# KiCad board current3x3A_Artiq.kicad_pcb (continued)
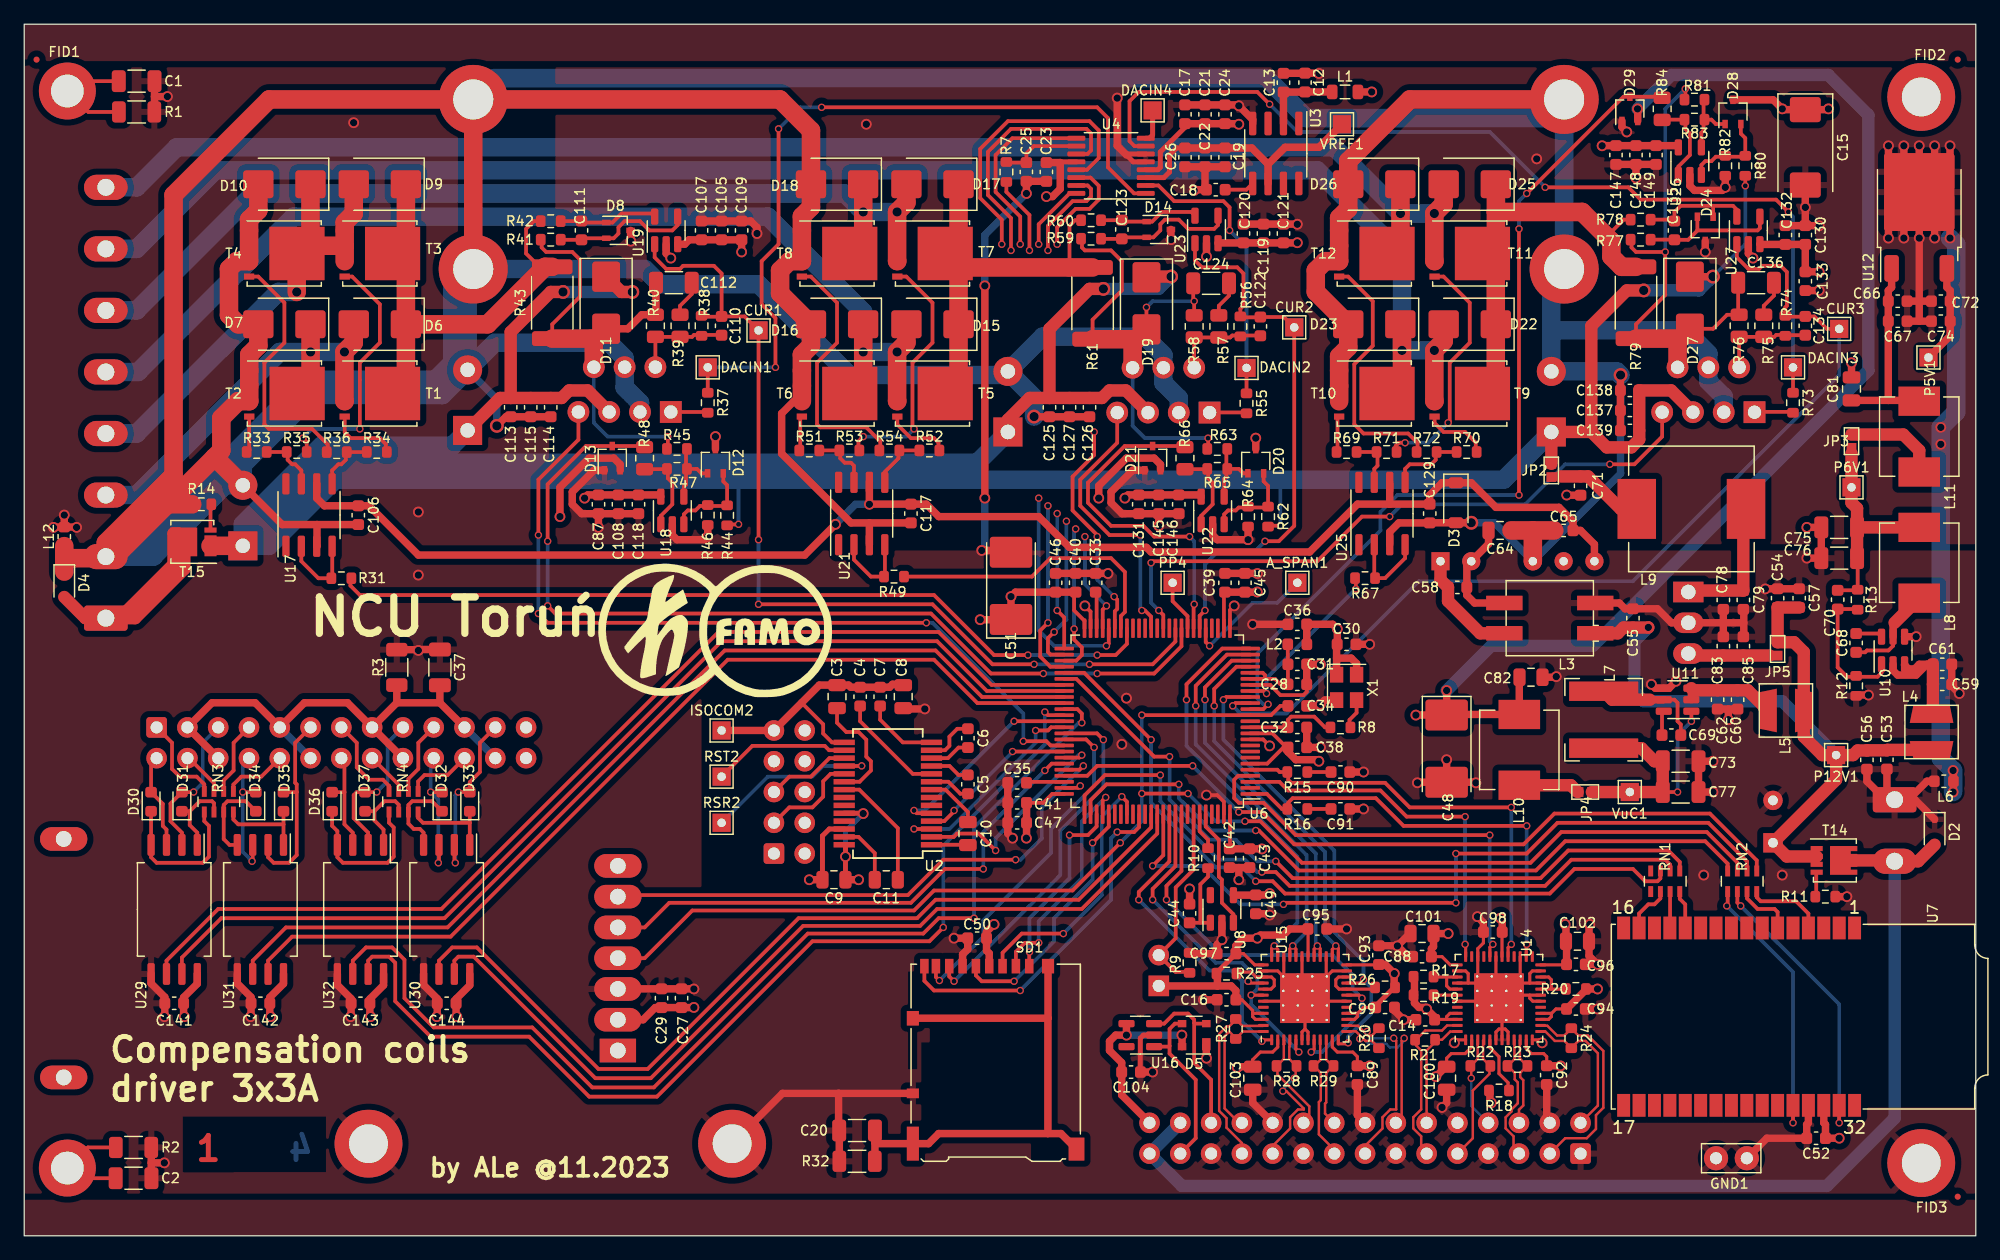
[diagram p0: board, top side]
## Placement (name value [footprint] x y rotation side) (continued)
U6  STM32H743VITx  [LQFP-100_14x14mm_P0.5mm]  93.47 42.47 180 top
U7  -  [STLINK-V3MODS]  160.91 18.08 270 top
U8  24AA02E48T-I/OT  [SOT-23-5]  98.81 26.97 90 top
U9  AM2D-1218SZ  [Converter_DCDC_Murata_NMAxxxxSC_THT]  116.84 55.68 270 bottom
U10  AP63200WU-7  [TSOT-23-6]  154.18 48.31 90 top
U11  AP63203WU-7  [TSOT-23-6]  136.4 44.25 180 top
U12  LD29150DT50R  [TO-252-2]  156.34 84.89 90 top
U13  R-78B12-2.0  [Converter_DCDC_RECOM_R-78B-2.0_THT]  137.29 53.14 270 bottom
U14  SN65MLVD040RGZT  [VQFN-48-1EP_7x7mm_P0.5mm_EP4.1x4.1mm_ThermalVias]  121.67 19.61 90 top
U15  SN65MLVD040RGZT  [VQFN-48-1EP_7x7mm_P0.5mm_EP4.1x4.1mm_ThermalVias]  105.66 19.61 90 top
U16  24AA02E48T-I/OT  [SOT-23-5]  92.08 16.56 180 top
U17  IRS4428STRPBF  [SO-8_3.9x4.9mm_P1.27mm]  23.5 59.49 90 top
U18  OPA191IDBVx  [SOT-23-5]  53.47 59.87 90 top
U19  INA293B2IDBV  [SOT-23-5]  52.96 82.98 90 top
U20  OPA548T  [TO-220-7_P2.54x3.7mm_StaggerOdd_Lead3.8mm_Vertical]  53.34 68 180 bottom
U21  IRS4428STRPBF  [SO-8_3.9x4.9mm_P1.27mm]  69.09 59.61 90 top
U22  OPA191IDBVx  [SOT-23-5]  98.04 59.87 90 top
U23  INA293B2IDBV  [SOT-23-5]  97.54 83.06 90 top
U24  OPA548T  [TO-220-7_P2.54x3.7mm_StaggerOdd_Lead3.8mm_Vertical]  97.79 67.95 180 bottom
U25  IRS4428STRPBF  [SO-8_3.9x4.9mm_P1.27mm]  112.01 59.61 90 top
U26  OPA191IDBVx  [SOT-23-5]  137.41 88.7 90 top
U27  INA293B2IDBV  [SOT-23-5]  142.24 82.98 90 top
U28  OPA548T  [TO-220-7_P2.54x3.7mm_StaggerOdd_Lead3.8mm_Vertical]  142.75 67.98 180 bottom
U29  TLP2270(TP4,E  [SOIC-8_7.5x5.85mm_P1.27mm]  12.37 26.94 270 top
U30  TLP2270(TP4,E  [SOIC-8_7.5x5.85mm_P1.27mm]  34.85 26.94 270 top
U31  TLP2270(TP4,E  [SOIC-8_7.5x5.85mm_P1.27mm]  19.48 26.94 270 top
U32  TLP2270(TP4,E  [SOIC-8_7.5x5.85mm_P1.27mm]  27.74 26.94 270 top
VREF1  TestPoint  [TestPoint_Pad_1.5x1.5mm]  108.71 91.75 180 top
VuC1  TestPoint  [TestPoint_THTPad_1.5x1.5mm_Drill0.7mm]  132.46 36.63 0 top
X1  ASE-8.000MHZ-L-C-T  [Oscillator_SMD_Abracon_ASE-4Pin_3.2x2.5mm]  109.09 45.26 270 top

## Library data of the parts
A_SPAN1 CUR1-CUR3 DACIN1-DACIN4 GND1 ISOCOM2 P5V1 P6V1 P12V1 PP4 RSR2 RST2 VREF1 VuC1 = -: Description: test point
BOOT0 = -: Description: Generic connector, single row, 01x02, script generated (kicad-library-utils/schlib/autogen/connector/); Comm: igły 2x1x2,54
C1-C11 C14 C16-C18 C20-C23 C25-C30 C32-C35 C37-C44 C47 C49 C50 C52 C61 C62 C64 C67-C70 C72 C79 C83 C88-C99 C104-C108 C110-C112 C114 C117-C120 C122-C124 C126 C129 C130 C132 C134-C136 C138 C141-C146 C148 C149 = -: Description: Unpolarized capacitor
C12 C24 C36 C53-C60 C65 C66 C71 C74 C78 C85 C109 C113 C115 C121 C125 C127 C133 C137 C139 = -: Description: Unpolarized capacitor; Comm: GRM188R61E106KA73D
C13 C19 = -: Description: Unpolarized capacitor; Comm: 1u 25V X7R
C15 = -: Comm: tantal, case D
C31 C45 C46 C87 C131 C147 = -: Description: Unpolarized capacitor; Comm: 1uF 25V X7R
C48 C51 = -: Comm: 100u 6,3V tantal case C
C63 = -: Comm: >=5000h, 105°C, Ø8x11,5mm, P3,5mm
C73 C75-C77 = -: Description: Unpolarized capacitor; Comm: 22u 10V X7R Murata
C80 C116 C128 C140 = -: Comm: 5000h Ø12,5 P5,0mm 105°C
C81 C82 C100-C103 = -: Description: Unpolarized capacitor; Comm: 10u 10V X7R
D2 D4 = -: Description: 12V, 450W Discrete Bidirectional TVS Diode, SOD-323
D5 = -: Description: Ultra low capacitance double rail-to-rail ESD protection diode, SOT-143; Comm: PRTR5V0U2X
D6 D7 D9-D11 D15-D19 D22 D23 D25-D27 = -: Description: Schottky diode; Comm: Diotec SL54-3G
D12 D20 D28 = -: Description: dual schottky barrier diode, common cathode
D13 D21 D29 = -: Description: Vr 30V, If 200mA, Dual schottky barrier diode, in series, SOT-323
D30-D37 = -: Description: Diode, filled shape; Sim.Device: D; Sim.Pins: 1=K 2=A
FID1-FID3 = -: Description: Fiducial Marker
G1 G2 = -: Sim.Enable: 0
H1 H2 H4 H6-H8 = -: Description: Mounting Hole with connection
HS1 = -: Description: Heatsink with electrical connection, 1 pin; Comm: Mount with: M3X10/D7985-A2 - 2pcs, K3.2/D125-A2 - 2pcs, K3/D127-A2 - 2 pcs, Bossard 1405322 - 4pcs.
J1 = -: Description: Generic connector, single row, 01x08, script generated
J2 = -: Description: Generic connector, double row, 02x05, odd/even pin numbering scheme (row 1 odd numbers, row 2 even numbers), script generated (kicad-library-utils/schlib/autogen/connector/)
J3 = -: Description: Generic connector, single row, 01x02, script generated (kicad-library-utils/schlib/autogen/connector/)
J5 = -: Description: Generic connector, double row, 02x15, odd/even pin numbering scheme (row 1 odd numbers, row 2 even numbers), script generated (kicad-library-utils/schlib/autogen/connector/)
J6 = -: Description: Generic connector, single row, 01x26, script generated
L1 = -: Description: Inductor; Comm: Viking NL05JTC330
L2 = -: Description: Inductor; Comm: LQM18DZ330M70L
L3 = -: Comm: or 50475C
L4 L5 = -: Comm: 22u >0,5A 4x4mm
L6 L12 = -: Comm: Murata
L7 = -: Comm: 3,3u >3A 6x6mm
L8 = -: Comm: 10u >3A 6,5x6,5mm
L9 = -: Comm: 10u >2A
R1-R3 R7-R42 R44-R49 R51-R60 R62-R67 R69-R78 R80-R84 = -: Description: Resistor
R43 R61 R79 = -: Description: Resistor; Comm: LVK24R020DER
RN1-RN4 = -: Description: 4 resistor network, parallel topology
T1-T12 = -: Description: 100A Id, 60V Vds, OptiMOS N-Channel Power MOSFET, 2.8mOhm Ron, Qg (typ) 31.0nC, PG-TDSON-8
T14 T15 = -: Description: -12A Id, -30V Vds, P-Channel Power MOSFET, 9.5mOhm Ron, 33.7nC Qg (typ), PowerDI3333-8; Comm: SISA01DN-T1-GE3
U2 = -: Description: ±50V Isolated, 3.0V to 5.5V, 250kbps,2 Tx/2 Rx, RS-232 Transceiver; Comm: MAX3250EAI+
U3 = -: Description: 3.00V Voltage Reference, Ultraprecision, Low Noise, MSOP-8
U4 = -: Description: 16-Bit, Quad Channel, Ultralow Glitch, Voltage Output Digital to Analog Converter.
U6 = -: Description: STMicroelectronics Arm Cortex-M7 MCU, 2048KB flash, 1024KB RAM, 480 MHz, 1.71-3.6V, 82 GPIO, LQFP100
U8 U16 = -: Description: I2C Serial EEPROM, 2Kb, SOT-23
U9 = -: Description: +/-100mA Isolated 1W Dual output DC/DC Converter Module, 5V Input Voltage, +/-5V Output Voltage, SIP3
U10 = -: Description: 2A, 500kHz Buck DC/DC Converter, adjustable output voltage, TSOT-23-6
U11 = -: Description: 2A, 1.1MHz Buck DC/DC Converter, fixed 5.0V output voltage, TSOT-23-6
U13 = -: Description: 2A Step-Down DC/DC-Regulator, 15-32V input, 12V fixed Output Voltage, LM78xx replacement, -40°C to +85°C, SIP3
U14 U15 = -: Description: 4-Channel Half-Duplex M-LVDS Line Transceiver
U17 U21 U25 = -: Description: Dual 1.5A-Peak Low-Side MOSFET Driver, DIP-8/SOIC-8/MSOP-8; Comm: MIC4428ZM
U18 U22 U26 = -: Description: Single, Low-Power, Low Offset Voltage, Rail-to-Rail Operational Amplifier, SOT-23-5; Comm: OPA196IDBVx
U19 U23 U27 = -: Description: Current Shunt Monitor −16V to +80V Common-Mode Range, 20V/V, SOT-23-5
U20 U24 U28 = -: Description: High-Voltage, High-Current, Wide-Output-Voltage-Swing Power Operational Amplfier (60V, 3A); Comm: OPA548T1; Manufacturer_Name: Texas Instruments; Manufacturer_Part_Number: OPA548FKTWT; Mouser Part Number: 595-OPA548FKTWT; Mouser Price/Stock: https://www.mouser.co.uk/ProductDetail/Texas-Instruments/OPA548FKTWT?qs=wgAEGBTxy7mxugPOPssEjw%3D%3D
U29-U32 = -: Description: Dual High Speed HCMOS/LSTTL/TTL Compatible Optocoupler, dV/dt 1000/us, VCM 50, -0.5V to 7V VCC, SOIC-8
X1 = -: Description: 3.3V CMOS SMD Crystal Clock Oscillator, Abracon

## Footprints (pads in the part's own frame, mm; a bottom-side part is the same pattern mirrored in y, then rotated)
C_0603_1608Metric
  rrect 0.9x0.95 smd: 1(-0.775,0) 2(0.775,0)
C_0805_2012Metric
  rrect 1x1.45 smd: 1(-0.95,0) 2(0.95,0)
C_1206_3216Metric
  rrect 1.15x1.8 smd: 1(-1.475,0) 2(1.475,0)
Converter_DCDC_Murata_NMAxxxxSC_THT
  rect 1.5x1.5 hole 0.7: 1(0,0)
  oval 1.5x1.5 hole 0.7: 2(0,-2.54) 4(0,-7.62) 5(0,-10.16) 6(0,-12.7)
Converter_DCDC_RECOM_R-78B-2.0_THT
  rect 1.7x2.5 hole 1.2: 1(0,0)
  oval 1.7x2.5 hole 1.2: 2(2.54,0) 3(5.08,0)
CP_EIA-7132-28_AVX-C
  rrect 2.55x3.5 smd: 1(-2.775,0) 2(2.775,0)
CP_EIA-7343-31_Kemet-D
  rrect 2.075x2.55 smd: 1(-3.112,0) 2(3.112,0)
CP_Radial_D8.0mm_P3.50mm
  rect 1.6x1.6 hole 0.8: 1(0,0)
  round 1.6 hole 0.8: 2(3.5,0)
CP_Radial_D12.5mm_P5.00mm
  rect 2.4x2.4 hole 1.2: 1(0,0)
  round 2.4 hole 1.2: 2(5,0)
D_0603_1608Metric
  rrect 0.875x0.95 smd: 1(-0.787,0) 2(0.787,0)
D_SMB
  rrect 2.5x2.3 smd: 1(-2.15,0) 2(2.15,0)
D_SOD-123
  rrect 0.9x1.2 smd: 1(-1.65,0) 2(1.65,0)
D_SOD-323
  rrect 0.6x0.45 smd: 1(-1.05,0) 2(1.05,0)
Diodes_PowerDI3333-8
  rect 0.6x1 smd: (0.02,0.565) (0.02,-0.565) (0.73,0.565) (0.73,-0.565)
  rect 1x0.42 smd: (1.5,0.975) (1.5,0.325) (1.5,-0.325) (1.5,-0.975) 2(-1.5,0.325) 3(-1.5,-0.325) 4(-1.5,-0.975)
  rect 0.99x0.42 smd: 1(-1.5,0.975)
  custom 2.25x2.37 smd: 5(0.455,0)
Fiducial_0.5mm_Mask1.5mm
  round 0.5 smd: (0,0)
GS2_small
  rect 0.8x0.8 smd: 1(0,0.55) 2(0,-0.55)
Heatsink_cooler_20x140x40mm
  round 5.7 hole 3.3: 1(-45,-7) 1(-45,7) 1(45,-7) 1(45,7)
IDC-Header_2x05_P2.54mm_Vertical
  rrect 1.7x1.7 hole 1: 1(0,0)
  round 1.7 hole 1: 2(2.54,0) 3(0,-2.54) 4(2.54,-2.54) 5(0,-5.08) 6(2.54,-5.08) 7(0,-7.62) 8(2.54,-7.62) 9(0,-10.16) 10(2.54,-10.16)
IDC-Header_2x13_P2.54mm_Vertical
  rrect 1.7x1.7 hole 1: 1(0,0)
  round 1.7 hole 1: 2(2.54,0) 3(0,-2.54) 4(2.54,-2.54) 5(0,-5.08) 6(2.54,-5.08) 7(0,-7.62) 8(2.54,-7.62) 9(0,-10.16) 10(2.54,-10.16) 11(0,-12.7) 12(2.54,-12.7) 13(0,-15.24) 14(2.54,-15.24) 15(0,-17.78) 16(2.54,-17.78) 17(0,-20.32) 18(2.54,-20.32) 19(0,-22.86) 20(2.54,-22.86) 21(0,-25.4) 22(2.54,-25.4) 23(0,-27.94) 24(2.54,-27.94) 25(0,-30.48) 26(2.54,-30.48)
IDC-Header_2x15_P2.54mm_Vertical
  rrect 1.7x1.7 hole 1: 1(0,0)
  round 1.7 hole 1: 2(2.54,0) 3(0,-2.54) 4(2.54,-2.54) 5(0,-5.08) 6(2.54,-5.08) 7(0,-7.62) 8(2.54,-7.62) 9(0,-10.16) 10(2.54,-10.16) 11(0,-12.7) 12(2.54,-12.7) 13(0,-15.24) 14(2.54,-15.24) 15(0,-17.78) 16(2.54,-17.78) 17(0,-20.32) 18(2.54,-20.32) 19(0,-22.86) 20(2.54,-22.86) 21(0,-25.4) 22(2.54,-25.4) 23(0,-27.94) 24(2.54,-27.94) 25(0,-30.48) 26(2.54,-30.48) 27(0,-33.02) 28(2.54,-33.02) 29(0,-35.56) 30(2.54,-35.56)
L_0603_1608Metric
  rrect 0.875x0.95 smd: 1(-0.787,0) 2(0.787,0)
L_0805_2012Metric
  rrect 0.875x1.2 smd: 1(-1.062,0) 2(1.062,0)
L_Bourns-SRN6028
  rect 1.6x5.7 smd: 1(-2.35,0) 2(2.35,0)
L_CommonMode_Murata_5000
  rect 3x1.2 smd: 1(-3.75,1.25) 2(-3.75,-1.25) 3(3.75,-1.25) 4(3.75,1.25)
L_MURATA_LQH44
  trapezoid 3.3x1.45 smd: 1(0,-1.475) 2(0,1.475)
L_Vishay_IHLP-2525
  rect 2.413x3.429 smd: 1(-2.921,0) 2(2.921,0)
L_Vishay_IHLP-4040
  rect 3.175x4.95 smd: 1(-4.508,0) 2(4.508,0)
LQFP-100_14x14mm_P0.5mm
  rrect 1.6x0.3 smd: 1(-7.675,6) 2(-7.675,5.5) 3(-7.675,5) 4(-7.675,4.5) 5(-7.675,4) 6(-7.675,3.5) 7(-7.675,3) 8(-7.675,2.5) 9(-7.675,2) 10(-7.675,1.5) 11(-7.675,1) 12(-7.675,0.5) 13(-7.675,0) 14(-7.675,-0.5) 15(-7.675,-1) 16(-7.675,-1.5) 17(-7.675,-2) 18(-7.675,-2.5) 19(-7.675,-3) 20(-7.675,-3.5) 21(-7.675,-4) 22(-7.675,-4.5) 23(-7.675,-5) 24(-7.675,-5.5) 25(-7.675,-6) 51(7.675,-6) 52(7.675,-5.5) 53(7.675,-5) 54(7.675,-4.5) 55(7.675,-4) 56(7.675,-3.5) 57(7.675,-3) 58(7.675,-2.5) 59(7.675,-2) 60(7.675,-1.5) 61(7.675,-1) 62(7.675,-0.5) 63(7.675,0) 64(7.675,0.5) 65(7.675,1) 66(7.675,1.5) 67(7.675,2) 68(7.675,2.5) 69(7.675,3) 70(7.675,3.5) 71(7.675,4) 72(7.675,4.5) 73(7.675,5) 74(7.675,5.5) 75(7.675,6)
  rrect 0.3x1.6 smd: 26(-6,-7.675) 27(-5.5,-7.675) 28(-5,-7.675) 29(-4.5,-7.675) 30(-4,-7.675) 31(-3.5,-7.675) 32(-3,-7.675) 33(-2.5,-7.675) 34(-2,-7.675) 35(-1.5,-7.675) 36(-1,-7.675) 37(-0.5,-7.675) 38(0,-7.675) 39(0.5,-7.675) 40(1,-7.675) 41(1.5,-7.675) 42(2,-7.675) 43(2.5,-7.675) 44(3,-7.675) 45(3.5,-7.675) 46(4,-7.675) 47(4.5,-7.675) 48(5,-7.675) 49(5.5,-7.675) 50(6,-7.675) 76(6,7.675) 77(5.5,7.675) 78(5,7.675) 79(4.5,7.675) 80(4,7.675) 81(3.5,7.675) 82(3,7.675) 83(2.5,7.675) 84(2,7.675) 85(1.5,7.675) 86(1,7.675) 87(0.5,7.675) 88(0,7.675) 89(-0.5,7.675) 90(-1,7.675) 91(-1.5,7.675) 92(-2,7.675) 93(-2.5,7.675) 94(-3,7.675) 95(-3.5,7.675) 96(-4,7.675) 97(-4.5,7.675) 98(-5,7.675) 99(-5.5,7.675) 100(-6,7.675)
microSD_HC_Hirose_DM3AT-SF-PEJM5
  rect 0.7x1.2 smd: 1(2.775,7.725) 2(1.675,7.725) 3(0.575,7.725) 4(-0.525,7.725) 5(-1.625,7.725) 6(-2.725,7.725) 7(-3.825,7.725) 8(-4.925,7.725) 9(-5.875,7.725)
  rect 1x0.8 smd: 10(-6.825,-2.775)
  rect 1x1.2 smd: 11(-6.825,3.425) 11(4.325,7.725)
  rect 1x2.8 smd: 11(-6.825,-6.925)
  rect 1.3x1.9 smd: 11(6.675,-7.375)
MountingHole_2.7mm_M2.5_DIN965_Pad
  round 4.7 hole 2.7: 1(0,0)
MountingHole_3.2mm_M3_DIN965_Pad
  round 5.6 hole 3.2: 1(0,0)
Oscillator_SMD_Abracon_ASE-4Pin_3.2x2.5mm
  rect 1.3x1.1 smd: 1(-1.05,-0.825) 2(1.05,-0.825) 3(1.05,0.825) 4(-1.05,0.825)
PhoenixContact_MSTBA_2,5_2-G-5,08_1x02_P5.08mm_Horizontal
  rrect 2.08x3.6 hole 1.4: 1(0,0)
  oval 2.08x3.6 hole 1.4: 2(5.08,0)
PhoenixContact_MSTBA_2,5_8-G-5,08_1x08_P5.08mm_Horizontal
  rrect 2.08x3.6 hole 1.4: 1(0,0)
  oval 2.08x3.6 hole 1.4: 2(5.08,0) 3(10.16,0) 4(15.24,0) 5(20.32,0) 6(25.4,0) 7(30.48,0) 8(35.56,0)
PinHeader_1x02_P2.54mm_Vertical
  rect 1.7x1.7 hole 1: 1(0,0)
  oval 1.7x1.7 hole 1: 2(0,-2.54)
R_0603_1608Metric
  rrect 0.8x0.95 smd: 1(-0.825,0) 2(0.825,0)
R_0805_2012Metric
  rrect 1.025x1.4 smd: 1(-0.912,0) 2(0.912,0)
R_1206_3216Metric
  rrect 1.125x1.75 smd: 1(-1.462,0) 2(1.462,0)
R_2512_6332Metric
  rrect 1.225x3.35 smd: 1(-2.962,0) 2(2.962,0)
R_Array_Concave_4x0603
  rect 0.9x0.4 smd: 1(-0.85,1.2) 2(-0.85,0.4) 3(-0.85,-0.4) 4(-0.85,-1.2) 5(0.85,-1.2) 6(0.85,-0.4) 7(0.85,0.4) 8(0.85,1.2)
SO-8_3.9x4.9mm_P1.27mm
  rrect 1.75x0.6 smd: 1(-2.575,1.905) 2(-2.575,0.635) 3(-2.575,-0.635) 4(-2.575,-1.905) 5(2.575,-1.905) 6(2.575,-0.635) 7(2.575,0.635) 8(2.575,1.905)
SOIC-8_3.9x4.9mm_P1.27mm
  rrect 1.95x0.6 smd: 1(-2.475,1.905) 2(-2.475,0.635) 3(-2.475,-0.635) 4(-2.475,-1.905) 5(2.475,-1.905) 6(2.475,-0.635) 7(2.475,0.635) 8(2.475,1.905)
SOIC-8_7.5x5.85mm_P1.27mm
  rrect 1.8x0.6 smd: 1(-5.325,1.905) 2(-5.325,0.635) 3(-5.325,-0.635) 4(-5.325,-1.905) 5(5.325,-1.905) 6(5.325,-0.635) 7(5.325,0.635) 8(5.325,1.905)
SOT-23-5
  rrect 1.325x0.6 smd: 1(-1.137,0.95) 2(-1.137,0) 3(-1.137,-0.95) 4(1.137,-0.95) 5(1.137,0.95)
SOT-143
  rect 0.7x1 smd: 1(-1,0.75)
  rect 0.7x0.6 smd: 2(-1,-0.95) 3(1,-0.95) 4(1,0.95)
SOT-323_SC-70
  rect 0.7x0.45 smd: 1(-1,0.65) 2(-1,-0.65) 3(1,0)
SSOP-28_5.3x10.2mm_P0.65mm
  rect 1.75x0.45 smd: 1(-3.6,4.225) 2(-3.6,3.575) 3(-3.6,2.925) 4(-3.6,2.275) 5(-3.6,1.625) 6(-3.6,0.975) 7(-3.6,0.325) 8(-3.6,-0.325) 9(-3.6,-0.975) 10(-3.6,-1.625) 11(-3.6,-2.275) 12(-3.6,-2.925) 13(-3.6,-3.575) 14(-3.6,-4.225) 15(3.6,-4.225) 16(3.6,-3.575) 17(3.6,-2.925) 18(3.6,-2.275) 19(3.6,-1.625) 20(3.6,-0.975) 21(3.6,-0.325) 22(3.6,0.325) 23(3.6,0.975) 24(3.6,1.625) 25(3.6,2.275) 26(3.6,2.925) 27(3.6,3.575) 28(3.6,4.225)
STLINK-V3MODS
  rect 1.88x1.067 smd: 1(-7.32,-9.906) 2(-7.32,-11.176) 3(-7.32,-12.446) 4(-7.32,-13.716) 5(-7.32,-14.986) 6(-7.32,-16.256) 7(-7.32,-17.526) 8(-7.32,-18.796) 9(-7.32,-20.066) 10(-7.32,-21.336) 11(-7.32,-22.606) 12(-7.32,-23.876) 13(-7.32,-25.146) 14(-7.32,-26.416) 15(-7.32,-27.686) 16(-7.32,-28.956) 17(7.32,-28.956) 18(7.32,-27.686) 19(7.32,-26.416) 20(7.32,-25.146) 21(7.32,-23.876) 22(7.32,-22.606) 23(7.32,-21.336) 24(7.32,-20.066) 25(7.32,-18.796) 26(7.32,-17.526) 27(7.32,-16.256) 28(7.32,-14.986) 29(7.32,-13.716) 30(7.32,-12.446) 31(7.32,-11.176) 32(7.32,-9.906)
TDSON-8-1
  rect 1.5x1.5 smd: (-0.2,0.85) (-0.2,-0.85) (1.5,0.85) (1.5,-0.85)
  custom 4.55x4.41 smd: (0.65,0)
  rect 0.75x0.5 smd: (2.905,1.905) (2.905,0.635) (2.905,-0.635) (2.905,-1.905)
  rect 0.85x0.5 smd: 1(-2.9,1.905) 2(-2.9,0.635) 3(-2.9,-0.635) 4(-2.9,-1.905)
  rect 4.55x4.41 smd: 5(1.05,0)
TestPoint_Bridge_Pitch2.54mm_Drill1.0mm
  round 2 hole 1: 1(0,0) 1(2.54,0)
TestPoint_Pad_1.5x1.5mm
  rect 1.5x1.5 smd: 1(0,0)
TestPoint_THTPad_1.5x1.5mm_Drill0.7mm
  rect 1.5x1.5 hole 0.7: 1(0,0)
TO-220-7_P2.54x3.7mm_StaggerOdd_Lead3.8mm_Vertical
  rect 1.8x1.8 hole 1.1: 1(0,0)
  oval 1.8x1.8 hole 1.1: 2(1.27,3.7) 3(2.54,0) 4(3.81,3.7) 5(5.08,0) 6(6.35,3.7) 7(7.62,0)
TO-252-2
  rrect 2.2x1.2 smd: 1(-5.04,2.28) 3(-5.04,-2.28)
  rrect 3.05x2.75 smd: 2(-0.415,1.525) 2(-0.415,-1.525) 2(2.935,1.525) 2(2.935,-1.525)
  rrect 6.4x5.8 smd: 2(1.26,0)
TSOT-23-6
  rrect 1.325x0.6 smd: 1(-1.137,0.95) 2(-1.137,0) 3(-1.137,-0.95) 4(1.137,-0.95) 5(1.137,0) 6(1.137,0.95)
TSSOP-16_4.4x5mm_P0.65mm
  rrect 1.475x0.4 smd: 1(-2.862,2.275) 2(-2.862,1.625) 3(-2.862,0.975) 4(-2.862,0.325) 5(-2.862,-0.325) 6(-2.862,-0.975) 7(-2.862,-1.625) 8(-2.862,-2.275) 9(2.862,-2.275) 10(2.862,-1.625) 11(2.862,-0.975) 12(2.862,-0.325) 13(2.862,0.325) 14(2.862,0.975) 15(2.862,1.625) 16(2.862,2.275)
USR-TC232-T2
  rect 3x1.95 hole 1.3: 1(0,0)
  oval 3.9x1.95 hole 1.3: 2(0,2.54) 3(0,5.08) 4(0,7.62) 5(0,10.16) 6(0,12.7) 7(0,15.24) P$1(45.72,17.462) P$2(45.72,-2.223)
VQFN-48-1EP_7x7mm_P0.5mm_EP4.1x4.1mm_ThermalVias
  rrect 1.1x1.1 smd: (-1.37,1.37) (-1.37,0) (-1.37,-1.37) (0,1.37) (0,0) (0,-1.37) (1.37,1.37) (1.37,0) (1.37,-1.37)
  rrect 0.875x0.25 smd: 1(-3.438,2.75) 2(-3.438,2.25) 3(-3.438,1.75) 4(-3.438,1.25) 5(-3.438,0.75) 6(-3.438,0.25) 7(-3.438,-0.25) 8(-3.438,-0.75) 9(-3.438,-1.25) 10(-3.438,-1.75) 11(-3.438,-2.25) 12(-3.438,-2.75) 25(3.438,-2.75) 26(3.438,-2.25) 27(3.438,-1.75) 28(3.438,-1.25) 29(3.438,-0.75) 30(3.438,-0.25) 31(3.438,0.25) 32(3.438,0.75) 33(3.438,1.25) 34(3.438,1.75) 35(3.438,2.25) 36(3.438,2.75)
  rrect 0.25x0.875 smd: 13(-2.75,-3.438) 14(-2.25,-3.438) 15(-1.75,-3.438) 16(-1.25,-3.438) 17(-0.75,-3.438) 18(-0.25,-3.438) 19(0.25,-3.438) 20(0.75,-3.438) 21(1.25,-3.438) 22(1.75,-3.438) 23(2.25,-3.438) 24(2.75,-3.438) 37(2.75,3.438) 38(2.25,3.438) 39(1.75,3.438) 40(1.25,3.438) 41(0.75,3.438) 42(0.25,3.438) 43(-0.25,3.438) 44(-0.75,3.438) 45(-1.25,3.438) 46(-1.75,3.438) 47(-2.25,3.438) 48(-2.75,3.438)
  round 0.5 hole 0.2: 49(-1.8,1.8) 49(-1.8,0.6) 49(-1.8,-0.6) 49(-1.8,-1.8) 49(-0.6,1.8) 49(-0.6,0.6) 49(-0.6,-0.6) 49(-0.6,-1.8) 49(0.6,1.8) 49(0.6,0.6) 49(0.6,-0.6) 49(0.6,-1.8) 49(1.8,1.8) 49(1.8,0.6) 49(1.8,-0.6) 49(1.8,-1.8)
  rect 4.1x4.1 smd: 49(0,0)
  rect 4.1x4.1 smd far side: 49(0,0)

## Nets
+3V3: BOOT0.1 C9.1 C14.1 C16.1 C23.1 C27.1 C29.1 C30.1 C36.1 C38.1 C39.1 C40.1 C41.1 C42.1 C43.1 C45.1 C46.1 C47.1 C48.1 C49.1 C50.1 C51.1 C52.1 C82.1 C88.1 C89.1 C92.1 C93.1 C94.1 C95.1 C96.1 C97.1 C98.1 C99.1 C100.1 C101.1 C102.1 C103.1 C141.1 C142.1 C143.1 C144.1 D13.2 D21.2 D29.2 L2.2 L10.1 R17.2 R18.2 R19.2 R20.2 R25.2 R26.2 SD1.4 U2.24 U2.28 U4.12 U5.2 U6.6 U6.11 U6.27 U6.50 U6.75 U6.100 U7.30 U8.4 U14.2 U14.11 U14.15 U14.16 U14.24 U14.30 U14.37 U14.45 U14.46 U15.2 U15.11 U15.15 U15.16 U15.24 U15.30 U15.37 U15.45 U15.46 U29.8 U30.8 U31.8 U32.8 X1.1 X1.4
+5VA: C15.1 C17.1 C21.1 C24.1 C72.2 C74.1 C87.1 C105.1 C107.1 C108.2 C109.1 C118.1 C119.1 C120.1 C121.1 C130.1 C131.1 C132.1 C133.1 C145.2 C146.1 C147.1 C148.2 C149.1 D12.3 D20.3 D28.3 L1.1 P5V1.1 U4.4 U12.3 U18.5 U19.3 U22.5 U23.3 U26.5 U27.3
+6V: C66.1 C67.2 C81.1 L11.1 U12.1
+12V: C53.1 C54.1 C55.1 C56.1 C57.1 C63.1 JP5.1 L3.1 L4.2 L5.2 P12V1.1 T14.1 T14.2 T14.3
+15V: C80.1 C113.1 C114.1 C115.1 C116.1 C125.1 C126.1 C127.1 C128.1 C137.1 C138.1 C139.1 C140.1 D11.1 D19.1 D27.1 JP2.2 R44.2 R62.2 R80.2 T15.1 T15.2 T15.3 U20.5 U24.5 U28.5
/Kasli interface/P3V3_MP: C104.1 D5.4 J5.30 U16.4
/Power grid/3V_out: JP4.1 L10.2
/Power grid/6V_out: JP3.1 L11.2
/Power grid/12V_pom: C60.1 C62.1 L5.1 U11.2 U11.3
/Power grid/12V_pom1: C59.1 C61.1 L4.1 U10.2 U10.3
/Power grid/12V_pom2: C58.1 L3.4 U9.1
/Power grid/12V_pom3: C83.1 C85.1 JP5.2 U13.3
/Power grid/gnd_pom: C58.2 C64.2 L3.3 U9.2
GND: C1.2 C2.2 C8.2 C9.2 C14.2 C16.2 C20.1 C23.2 C25.2 C27.2 C29.2 C30.2 C32.2 C33.1 C34.1 C35.1 C36.2 C37.2 C38.2 C39.2 C40.2 C41.2 C42.2 C43.2 C44.2 C45.2 C46.2 C47.2 C48.2 C49.2 C50.2 C51.2 C52.2 C53.2 C54.2 C55.2 C56.2 C57.2 C59.2 C60.2 C61.2 C62.2 C63.2 C71.2 C73.2 C75.2 C76.2 C77.2 C78.2 C79.2 C81.2 C82.2 C83.2 C85.2 C88.2 C89.2 C90.2 C91.2 C92.2 C93.2 C94.2 C95.2 C96.2 C97.2 C98.2 C99.2 C100.2 C101.2 C102.2 C103.2 C104.2 C141.2 C142.2 C143.2 C144.2 D2.1 D5.1 GND1.1 H4.1 H6.1 H7.1 H8.1 J3.1 J5.1 J5.4 J5.7 J5.10 J5.13 J5.16 J5.19 J5.22 J5.25 L3.2 L6.1 L12.1 R1.2 R2.2 R3.2 R9.1 R11.2 R12.2 R32.1 SD1.6 SD1.10 U2.26 U5.3 U6.10 U6.26 U6.49 U6.74 U6.99 U7.29 U8.2 U10.4 U11.4 U13.2 U14.1 U14.6 U14.7 U14.8 U14.12 U14.18 U14.19 U14.21 U14.23 U14.27 U14.31 U14.34 U14.38 U14.40 U14.43 U14.49 U15.6 U15.7 U15.18 U15.23 U15.27 U15.31 U15.34 U15.38 U15.43 U15.49 U16.2 U29.5 U30.5 U31.5 U32.5 X1.2
GNDA: C12.2 C13.2 C15.2 C17.2 C18.1 C19.2 C21.2 C22.2 C24.2 C26.2 C28.1 C31.2 C66.2 C67.1 C72.1 C74.2 C87.2 C105.2 C107.2 C108.1 C109.2 C118.2 C119.2 C120.2 C121.2 C130.2 C131.2 C132.2 C133.2 C145.1 C146.2 C147.2 C148.1 C149.2 D8.3 D13.1 D14.3 D21.1 D24.3 D29.1 L6.2 R46.1 R64.1 R82.1 U3.4 U4.5 U4.6 U6.19 U12.2 U18.2 U19.2 U22.2 U23.2 U26.2 U27.2
P12V0: D2.2 J3.2 J5.28 J5.29 T14.5
/controller+DAC/DAC4: DACIN4.1 U4.8
/controller+DAC/DAC_MOSI: U4.11 U6.54
/controller+DAC/DAC_RST: U4.13 U6.46
/controller+DAC/DAC_SCK: R7.1 U6.52
/controller+DAC/ISOCOM: C3.2 C4.2 C7.2 C8.1 ISOCOM2.1 J2.9 U2.15
/controller+DAC/LDAC: U4.16 U6.53
/controller+DAC/nucleo_746ZG/A_SPAN: A_SPAN1.1 U6.30
/controller+DAC/nucleo_746ZG/EEP_SCL: R10.1 U6.95
/controller+DAC/nucleo_746ZG/EEP_SDA: U6.96 U8.3
/controller+DAC/nucleo_746ZG/JTCK-SWCLK: RN1.6 U6.76
/controller+DAC/nucleo_746ZG/JTDI: RN2.8 U6.77
/controller+DAC/nucleo_746ZG/JTDO-SWO: RN2.6 U6.89
/controller+DAC/nucleo_746ZG/JTMS-SWDIO: RN2.5 U6.72
/controller+DAC/nucleo_746ZG/NRST: C34.2 RN2.7 U5.4 U6.14
/controller+DAC/nucleo_746ZG/PP4: PP4.1 U6.33
/controller+DAC/nucleo_746ZG/SD_CK: SD1.5 U6.80
/controller+DAC/nucleo_746ZG/SD_CMD: SD1.3 U6.83
/controller+DAC/nucleo_746ZG/SD_D0: SD1.7 U6.65
/controller+DAC/nucleo_746ZG/SD_D1: SD1.8 U6.66
/controller+DAC/nucleo_746ZG/SD_D2: SD1.1 U6.78
/controller+DAC/nucleo_746ZG/SD_D3: SD1.2 U6.79
/controller+DAC/nucleo_746ZG/SD_DET1: SD1.9 U6.85
/controller+DAC/nucleo_746ZG/SHIELD: C20.2 R32.2 SD1.11
/controller+DAC/nucleo_746ZG/STLINK_RX: RN1.7 U6.55
/controller+DAC/nucleo_746ZG/STLINK_TX: RN1.5 U6.56
/controller+DAC/nucleo_746ZG/T_JCLK: RN1.3 U7.13
/controller+DAC/nucleo_746ZG/T_JTDI: RN2.1 U7.28
/controller+DAC/nucleo_746ZG/T_JTDO: RN2.3 U7.6
/controller+DAC/nucleo_746ZG/T_JTMS: RN2.4 U7.4
/controller+DAC/nucleo_746ZG/T_NRST: RN2.2 U7.31
/controller+DAC/nucleo_746ZG/T_RX: RN1.2 U7.15
/controller+DAC/nucleo_746ZG/T_TX: RN1.4 U7.12
/controller+DAC/nucleo_746ZG/UART4_RX: U5.5 U6.70
/controller+DAC/nucleo_746ZG/UART4_TX: U5.6 U6.71
/controller+DAC/nucleo_746ZG/uC_CLK: C32.1 R8.2 U6.12
/controller+DAC/nucleo_746ZG/VAREF: C28.2 C31.1 L2.1 U6.20 U6.21
/controller+DAC/RSR1: J2.3 U2.19
/controller+DAC/RSR2: RSR2.1 U2.18
/controller+DAC/RST1: J2.5 U2.17
/controller+DAC/RST2: RST2.1 U2.16
/controller+DAC/RSTSEL: U4.14 U6.45
/controller+DAC/RXD1: U2.2 U6.69
/controller+DAC/RXD2: U2.3 U6.64
/controller+DAC/TXD1: U2.4 U6.68
/controller+DAC/TXD2: U2.5 U6.63
/controller+DAC/U3pV: C12.1 C13.1 L1.2 U3.2
/controller+DAC/VREF: C19.1 C22.1 C26.1 U3.6 U4.3 VREF1.1
/controller+DAC/~{ENABLE}: U4.15 U6.47
/controller+DAC/~{SYNC}: U4.9 U6.51
/CUR1: C110.2 CUR1.1 R38.2 U6.35 U19.1
/CUR2: C122.2 CUR2.1 R56.1 U6.31 U23.1
/CUR3: C134.2 CUR3.1 R74.1 U6.16 U27.1
/DAC1: DACIN1.1 R37.1 U4.1
/DAC2: DACIN2.1 R55.2 U4.2
/DAC3: DACIN3.1 R73.2 U4.7
/digital_inputs/IDC_N0: D30.2 J6.2 U29.3
/digital_inputs/IDC_N1: D31.2 J6.5 U29.2
/digital_inputs/IDC_N2: D34.2 J6.8 U31.3
/digital_inputs/IDC_N3: D35.2 J6.11 U31.2
/digital_inputs/IDC_N4: D36.2 J6.14 U32.3
/digital_inputs/IDC_N5: D37.2 J6.17 U32.2
/digital_inputs/IDC_N6: D32.2 J6.20 U30.3
/digital_inputs/IDC_N7: D33.2 J6.23 U30.2
/digital_inputs/IDC_P2: D34.1 RN3.7 U31.4
/digital_inputs/IDC_P3: D35.1 RN3.8 U31.1
/digital_inputs/IDC_P4: D36.1 RN4.5 U32.4
/digital_inputs/IDC_P5: D37.1 RN4.6 U32.1
/digital_inputs/IDC_P6: D32.1 RN4.7 U30.4
/digital_inputs/IDC_P7: D33.1 RN4.8 U30.1
/DIR1: R31.2 U6.43
/DIR2: R49.2 U6.44
/DIR3: R67.2 U6.18
/ES1: U6.67 U20.7
/ES2: U6.39 U24.7
/ES3: U6.37 U28.7
/Kasli interface/I2C_SCL: D5.3 J5.27 U16.1
/Kasli interface/I2C_SDA: D5.2 J5.26 U16.3
/Kasli interface/LVDS0_N: J5.3 R24.1 U14.14
/Kasli interface/LVDS0_P: J5.2 R24.2 U14.13
/Kasli interface/LVDS1_N: J5.6 R23.1 U14.10
/Kasli interface/LVDS1_P: J5.5 R23.2 U14.9
/Kasli interface/LVDS2_N: J5.9 R22.1 U14.4
/Kasli interface/LVDS2_P: J5.8 R22.2 U14.3
/Kasli interface/LVDS3_N: J5.12 R21.1 U14.48
/Kasli interface/LVDS3_P: J5.11 R21.2 U14.47
/Kasli interface/LVDS4_N: J5.15 R30.1 U15.14
/Kasli interface/LVDS4_P: J5.14 R30.2 U15.13
/Kasli interface/LVDS5_N: J5.18 R29.1 U15.10
/Kasli interface/LVDS5_P: J5.17 R29.2 U15.9
/Kasli interface/LVDS6_N: J5.21 R28.1 U15.4
/Kasli interface/LVDS6_P: J5.20 R28.2 U15.3
/Kasli interface/LVDS7_N: J5.24 R27.1 U15.48
/Kasli interface/LVDS7_P: J5.23 R27.2 U15.47
/Power amplifier 1/G1: R34.1 T1.4
/Power amplifier 1/G2: R35.1 T3.4
/Power amplifier 1/G3: R33.1 T2.4
/Power amplifier 1/G4: R36.1 T4.4
/Power amplifier 1/H1G: D6.1 D9.1 R42.2 R43.2 T1.5 T3.5
/Power amplifier 1/OPA1: C112.1 D11.2 R40.1 R41.2 R43.1 R45.2 U20.6
/Power amplifier 2/G1: R52.1 T5.4
/Power amplifier 2/G2: R53.1 T7.4
/Power amplifier 2/G3: R51.1 T6.4
/Power amplifier 2/G4: R54.1 T8.4
/Power amplifier 2/H2G: D15.1 D17.1 R60.2 R61.2 T5.5 T7.5
/Power amplifier 2/OPA2: C124.1 D19.2 R58.1 R59.2 R61.1 R63.2 U24.6
/Power amplifier 3/G1: R70.1 T9.4
/Power amplifier 3/G2: R71.1 T11.4
/Power amplifier 3/G3: R69.1 T10.4
/Power amplifier 3/G4: R72.1 T12.4
/Power amplifier 3/H3G: D22.1 D25.1 R78.2 R79.2 T9.5 T11.5
/Power amplifier 3/OPA3: C136.1 D27.2 R76.1 R77.2 R79.1 R81.2 U28.6
/Power grid/P15_pom1: C71.1 JP2.1 L9.2
/Power grid/P15_pom2: C78.1 C79.1 L9.1 U13.1
/Power grid/sw_out: C73.1 C77.1 JP4.2 L7.1 U11.1 VuC1.1
/Power grid/sw_out1: C70.1 C75.1 C76.1 JP3.2 L8.1 P6V1.1 R13.1
/Power grid/switch: C69.1 L7.2 U11.5
/Power grid/switch1: C68.1 L8.2 U10.5
/SPAN1: D13.3 R48.2 U6.34
/SPAN2: D21.3 R66.2 U6.32
/SPAN3: D29.3 R84.2 U6.15
DAT4: U6.22 U15.25 U15.26
DAT4_OUT: U6.17 U15.12 U15.21
DAT5: U6.23 U15.28 U15.29
DAT5_OUT: U6.92 U15.8 U15.19
DAT6: U6.24 U15.32 U15.33
DAT6_OUT: U6.91 U15.5 U15.42
DAT7: U6.25 U15.35 U15.36
DAT7_OUT: U6.90 U15.1 U15.40
J4_1: D4.2 J1.1 T15.5
J4_2: C64.1 C65.2 C80.2 C106.2 C113.2 C114.2 C115.2 C116.2 C117.2 C125.2 C126.2 C127.2 C128.2 C129.2 C137.2 C138.2 C139.2 C140.2 D3.2 D4.1 D7.2 D10.2 D16.2 D18.2 D23.2 D26.2 HS1.1 J1.2 L12.2 R14.2 T2.1 T2.2 T2.3 T4.1 T4.2 T4.3 T6.1 T6.2 T6.3 T8.1 T8.2 T8.3 T10.1 T10.2 T10.3 T12.1 T12.2 T12.3 U9.4 U17.3 U20.3 U20.4 U21.3 U24.3 U24.4 U25.3 U28.3 U28.4
J4_3: D6.2 D7.1 J1.3 T1.1 T1.2 T1.3 T2.5
J4_4: D9.2 D10.1 J1.4 T3.1 T3.2 T3.3 T4.5
J4_5: D15.2 D16.1 J1.5 T5.1 T5.2 T5.3 T6.5
J4_6: D17.2 D18.1 J1.6 T7.1 T7.2 T7.3 T8.5
J4_7: D22.2 D23.1 J1.7 T9.1 T9.2 T9.3 T10.5
J4_8: D25.2 D26.1 J1.8 T11.1 T11.2 T11.3 T12.5
SPI_MISO: U6.4 U14.32
SPI_MOSI: R15.1 U6.5 U14.29
SPI_NSS: U6.3 U14.36
SPI_SCK: R16.1 U6.1 U14.26
TTL0: U6.57 U29.6
TTL1: U6.58 U29.7
TTL2: U6.59 U31.6
TTL3: U6.60 U31.7
TTL4: U6.61 U32.6
TTL5: U6.62 U32.7
TTL6: U6.87 U30.6
TTL7: U6.88 U30.7
Vdrive: C65.1 C106.1 C117.1 C129.1 D3.1 U9.6 U17.6 U21.6 U25.6
Net-(BOOT0-Pin_2): BOOT0.2 R9.2 U6.94
Net-(C1-Pad1): C1.1 H1.1 R1.1
Net-(C2-Pad1): C2.1 H2.1 R2.1
Net-(C33-Pad2): C33.2 U6.48
Net-(C35-Pad2): C35.2 U6.73
Net-(C90-Pad1): C90.1 R15.2
Net-(C91-Pad1): C91.1 R16.2
Net-(C112-Pad2): C112.2 R39.1
Net-(C124-Pad2): C124.2 R57.1
Net-(C136-Pad2): C136.2 R75.1
Net-(D30-K): D30.1 RN3.5 U29.4
Net-(D31-K): D31.1 RN3.6 U29.1
Net-(J6-Pin_1): J6.1 RN3.4
Net-(J6-Pin_4): J6.4 RN3.3
Net-(J6-Pin_7): J6.7 RN3.2
Net-(J6-Pin_10): J6.10 RN3.1
Net-(J6-Pin_12): C37.1 J6.3 J6.6 J6.9 J6.12 J6.15 J6.18 J6.21 J6.24 R3.1
Net-(J6-Pin_13): J6.13 RN4.4
Net-(J6-Pin_16): J6.16 RN4.3
Net-(J6-Pin_19): J6.19 RN4.2
Net-(J6-Pin_22): J6.22 RN4.1
Net-(R47-Pad1): R47.1 R48.1 U18.1
Net-(R65-Pad1): R65.1 R66.1 U22.1
Net-(R83-Pad1): R83.1 R84.1 U26.1
Net-(T14-G): R11.1 T14.4
Net-(T15-G): R14.1 T15.4
Net-(U2-C1+): C10.1 U2.8
Net-(U2-C1-): C10.2 U2.1
Net-(U2-C2+): C11.2 U2.21
Net-(U2-C2-): C11.1 U2.27
Net-(U2-C3+): C5.1 U2.9
Net-(U2-C3-): C5.2 U2.11
Net-(U2-C4+): C6.1 U2.12
Net-(U2-C4-): C6.2 U2.13
Net-(U2-ISOVCC): C3.1 U2.20
Net-(U2-V+): C4.1 U2.10
Net-(U2-V-): C7.1 U2.14
Net-(U3-TRIM): C18.2 U3.5
Net-(U4-SCLK): C25.1 R7.2 U4.10
Net-(U8-SCL): C44.1 R10.2 U8.1
Net-(U10-BST): C68.2 U10.6
Net-(U10-FB): C70.2 R12.1 R13.2 U10.1
Net-(U11-BST): C69.2 U11.6
Net-(U14-1FSEN): R17.1 U14.39 U14.41
Net-(U14-2DE): R18.1 U14.5
Net-(U14-3FSEN): R20.1 U14.20 U14.22
Net-(U14-~{2RE}): R19.1 U14.42
Net-(U15-1FSEN): R25.1 U15.39 U15.41
Net-(U15-3FSEN): R26.1 U15.20 U15.22
Net-(U17-IN_A): R31.1 U17.2 U17.4
Net-(U17-OUT_B): R34.2 R36.2 U17.5
Net-(U17-~{OUT_A}): R33.2 R35.2 U17.7
Net-(U18-+): D12.2 R44.1 R46.2 U18.3
Net-(U18--): D12.1 R45.1 R47.2 U18.4
Net-(U19-+): C111.2 D8.2 R41.1 U19.4
Net-(U19--): C111.1 D8.1 R42.1 U19.5
Net-(U20-IN+): R37.2 U20.1
Net-(U20-IN-): C110.1 R38.1 R39.2 R40.2 U20.2
Net-(U21-IN_A): R49.1 U21.2 U21.4
Net-(U21-OUT_B): R52.2 R54.2 U21.5
Net-(U21-~{OUT_A}): R51.2 R53.2 U21.7
Net-(U22-+): D20.2 R62.1 R64.2 U22.3
Net-(U22--): D20.1 R63.1 R65.2 U22.4
Net-(U23-+): C123.2 D14.2 R59.1 U23.4
Net-(U23--): C123.1 D14.1 R60.1 U23.5
Net-(U24-IN+): R55.1 U24.1
Net-(U24-IN-): C122.1 R56.2 R57.2 R58.2 U24.2
Net-(U25-IN_A): R67.1 U25.2 U25.4
Net-(U25-OUT_B): R70.2 R72.2 U25.5
Net-(U25-~{OUT_A}): R69.2 R71.2 U25.7
Net-(U26-+): D28.2 R80.1 R82.2 U26.3
Net-(U26--): D28.1 R81.1 R83.2 U26.4
Net-(U27-+): C135.2 D24.2 R77.1 U27.4
Net-(U27--): C135.1 D24.1 R78.1 U27.5
Net-(U28-IN+): R73.1 U28.1
Net-(U28-IN-): C134.1 R74.2 R75.2 R76.2 U28.2
Net-(X1-OUT): R8.1 X1.3

Pads without a net: J2 1 2 4 6 7 8 10; J6 25 26; RN1 1 8; U2 6 7 22 23 25; U3 1 3 7 8; U5 1 7 P$1 P$2; U6 2 7 8 9 13 28 29 36 38 40 41 42 81 82 84 86 93 97 98; U7 1 2 3 5 7 8 9 10 11 14 16 17 18 19 20 21 22 23 24 25 26 27 32; U8 5; U9 5; U14 17 25 28 33 35 44; U15 17 44; U16 5; U17 1 8; U21 1 8; U25 1 8
